# KiCad board MozzaCircuit.kicad_pcb (continued)
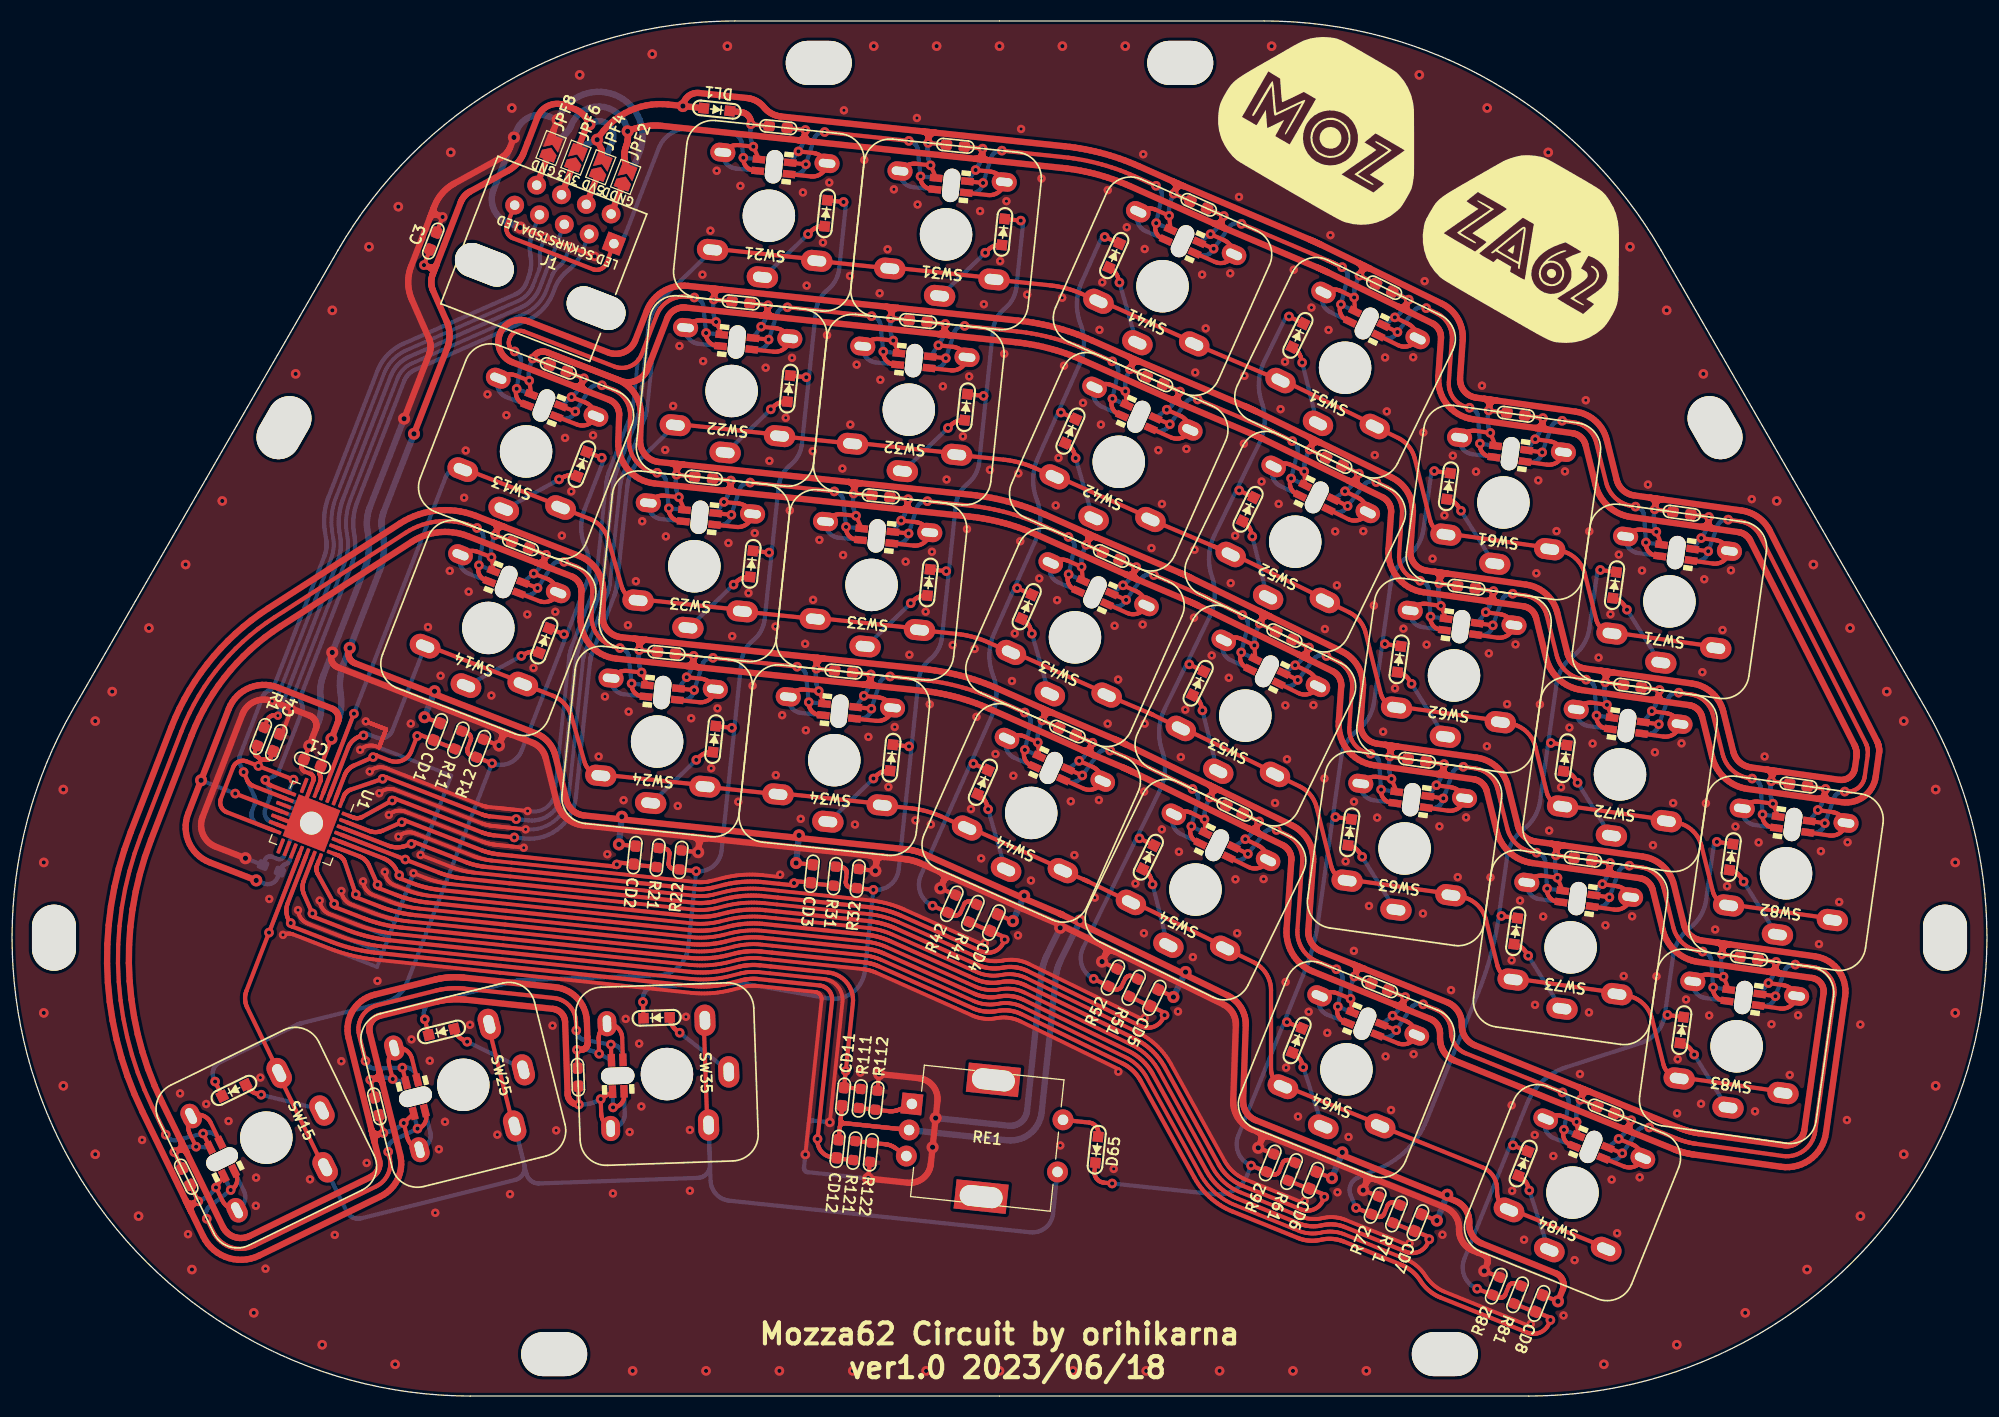
[diagram p0: board, top side]
## Nets (continued)
Net-(D41-Pad1): D41.1 D42.1 D43.1 D44.1 R41.1 R42.1
Net-(D41-Pad2): D41.2 SW41.1
Net-(D42-Pad2): D42.2 SW42.1
Net-(D43-Pad2): D43.2 SW43.1
Net-(D44-Pad2): D44.2 SW44.1
Net-(D51-Pad1): D51.1 D52.1 D53.1 D54.1 R51.1 R52.1
Net-(D51-Pad2): D51.2 SW51.1
Net-(D52-Pad2): D52.2 SW52.1
Net-(D53-Pad2): D53.2 SW53.1
Net-(D54-Pad2): D54.2 SW54.1
Net-(D61-Pad1): D61.1 D62.1 D63.1 D64.1 D65.1 R61.1 R62.1
Net-(D61-Pad2): D61.2 SW61.1
Net-(D62-Pad2): D62.2 SW62.1
Net-(D63-Pad2): D63.2 SW63.1
Net-(D64-Pad2): D64.2 SW64.1
Net-(D65-Pad2): D65.2 RE1.S1
Net-(D71-Pad1): D71.1 D72.1 D73.1 R71.1 R72.1
Net-(D71-Pad2): D71.2 SW71.1
Net-(D72-Pad2): D72.2 SW72.1
Net-(D73-Pad2): D73.2 SW73.1
Net-(D82-Pad1): D82.1 D83.1 D84.1 R81.1 R82.1
Net-(D82-Pad2): D82.2 SW82.1
Net-(D83-Pad2): D83.2 SW83.1
Net-(D84-Pad2): D84.2 SW84.1
Net-(J1-Pad2): J1.2 JPB8.1 JPF2.1
Net-(J1-Pad4): J1.4 JPB6.1 JPF4.1
Net-(J1-Pad6): J1.6 JPB4.1 JPF6.1
Net-(J1-Pad8): J1.8 JPB2.1 JPF8.1
Net-(L13-Pad1): L13.1 L13.5 L23.3 L23.7
Net-(L13-Pad3): L13.3 L13.7 L22.1 L22.5
Net-(L14-Pad1): L14.1 L14.5 L15.3 L15.7
Net-(L14-Pad3): L14.3 L14.7 L24.1 L24.5
Net-(L15-Pad1): L15.1 L15.5 L25.3 L25.7
Net-(L21-Pad1): L21.1 L21.5 L31.3 L31.7
Net-(L22-Pad3): L22.3 L22.7 L32.1 L32.5
Net-(L23-Pad1): L23.1 L23.5 L33.3 L33.7
Net-(L24-Pad3): L24.3 L24.7 L34.1 L34.5
Net-(L25-Pad1): L25.1 L25.5 L35.3 L35.7
Net-(L31-Pad1): L31.1 L31.5 L41.3 L41.7
Net-(L32-Pad3): L32.3 L32.7 L42.1 L42.5
Net-(L33-Pad1): L33.1 L33.5 L43.3 L43.7
Net-(L34-Pad3): L34.3 L34.7 L44.1 L44.5
Net-(L41-Pad1): L41.1 L41.5 L51.3 L51.7
Net-(L42-Pad3): L42.3 L42.7 L52.1 L52.5
Net-(L43-Pad1): L43.1 L43.5 L53.3 L53.7
Net-(L44-Pad3): L44.3 L44.7 L54.1 L54.5
Net-(L51-Pad1): L51.1 L51.5 L61.3 L61.7
Net-(L52-Pad3): L52.3 L52.7 L62.1 L62.5
Net-(L53-Pad1): L53.1 L53.5 L63.3 L63.7
Net-(L54-Pad3): L54.3 L54.7 L64.1 L64.5
Net-(L61-Pad1): L61.1 L61.5 L71.3 L71.7
Net-(L62-Pad3): L62.3 L62.7 L72.1 L72.5
Net-(L63-Pad1): L63.1 L63.5 L73.3 L73.7
Net-(L64-Pad3): L64.3 L64.7 L84.1 L84.5
Net-(L71-Pad1): L71.1 L71.5 L82.3 L82.7
Net-(L72-Pad3): L72.3 L72.7 L82.1 L82.5
Net-(L73-Pad1): L73.1 L73.5 L83.3 L83.7
Net-(L83-Pad1): L83.1 L83.5 L84.3 L84.7

Pads without a net: L35 1 5; RE1 MP; U1 7 10 15 16 17; U2 7 10 15 16 17

## Via types
v1: diameter 1.15, hole 0.5, Top to Bottom, 45 vias
v2: diameter 0.92, hole 0.4, Top to Bottom, 420 vias
v3: diameter 0.8, hole 0.3, Top to Bottom, 354 vias

## Routing (per net, layer and track width the routed paths; a pad name or vN(x,y) marks a point on that pad's centre or on a via; arc(x,y) is an arc through that point)
3V3: length 399.9
  Top w0.4: 29.08,57.78 29.42,58.65 29.43,58.68 29.45,58.72 29.45,58.76 29.46,58.8 29.47,58.84 29.47,58.88 29.47,58.92 29.46,58.96 29.46,59 29.45,59.04 29.44,59.08 29.43,59.11 29.42,59.15 29.4,59.19 29.38,59.22 29.37,59.26 29.35,59.29 29.34,59.33 29.32,59.37 29.31,59.41 29.31,59.45 29.3,59.49 29.3,59.53 29.3,59.57 29.3,59.6 29.31,59.64 29.31,59.68 29.32,59.72 29.33,59.76 29.34,59.8 29.46,60.1 v1(30.47,62.71) ; CD1.1 v1(39.35,64.76) ; 59.49,52.46 v1(57.9,52.63) ; 76.4,50.68 v1(74.81,50.85) ; 134.46,17.34 v1(135.95,16.74) ; CD6.1 v1(125.93,20.79) ; 25.68,55.77 v2(21.3,57.47) ; CD5.1 v1(110.81,38.07) ; 39.88,109.38 v2(39.3,107.89) ; 79.43,26.03 79.38,26.03 79.34,26.04 79.31,26.06 79.27,26.08 79.23,26.1 79.2,26.13 79.17,26.16 79.14,26.19 79.12,26.23 79.1,26.26 79.09,26.3 79.08,26.34 79.07,26.38 79.07,26.43 79.07,26.47 79.2,27.7 CD12.1 78.99,25.67 78.99,25.71 79,25.75 79.02,25.79 79.04,25.83 79.06,25.86 79.09,25.9 79.12,25.93 79.15,25.95 79.18,25.98 79.22,26 79.26,26.01 79.3,26.02 79.34,26.03 79.38,26.03 79.43,26.03 ; 79.43,26.03 85.59,25.38 79.43,26.03 ; 146.02,9.64 v1(147.5,9.04) ; CD4.1 v1(95.49,45.31)
  Top w0.6: v1(147.5,9.04) 147.95,10.15 147.99,10.27 148.02,10.39 148.04,10.51 148.04,10.64 148.03,10.76 148,10.89 147.97,11.01 147.92,11.12 147.86,11.23 147.78,11.34 147.7,11.43 147.61,11.52 147.51,11.59 147.4,11.66 147.29,11.71 140.24,14.56 140.1,14.62 139.96,14.7 139.83,14.79 139.7,14.88 139.59,14.99 139.48,15.11 139.39,15.23 139.3,15.37 139.22,15.5 139.16,15.65 139.11,15.8 139.07,15.95 139.04,16.11 139.03,16.26 139.03,16.42 139.03,16.56 139.03,16.74 139.02,16.91 138.99,17.08 138.95,17.25 138.89,17.42 138.82,17.58 138.74,17.73 138.64,17.88 138.54,18.01 138.42,18.14 138.29,18.26 138.15,18.37 138.01,18.47 137.86,18.55 137.7,18.62 126.83,23.01 118.67,26.31 118.53,26.37 118.39,26.45 118.26,26.54 118.13,26.64 118.02,26.74 117.91,26.86 117.82,26.99 117.73,27.12 117.66,27.26 117.59,27.4 117.54,27.55 117.5,27.7 117.48,27.86 117.46,28.02 117.46,28.17 117.71,35.35 117.71,35.58 117.69,35.82 117.66,36.05 117.6,36.28 117.53,36.5 117.44,36.72 117.33,36.93 117.21,37.13 117.08,37.32 116.93,37.5 116.76,37.67 116.59,37.83 116.4,37.97 116.2,38.1 115.99,38.21 111.86,40.22 100.24,45.89 100.23,45.9 100.21,45.91 100.13,45.94 100.11,45.95 100.05,45.98 100.03,45.99 100.01,46 99.97,46.01 99.96,46.02 96.47,47.5 87.1,51.67 86.98,51.72 86.86,51.77 86.74,51.82 86.62,51.86 86.5,51.9 86.38,51.94 86.26,51.97 86.14,52.01 86.01,52.04 85.89,52.06 85.77,52.09 85.64,52.11 85.52,52.13 85.39,52.15 85.26,52.16 75.06,53.24 58.15,55.01 54.57,55.39 54.42,55.41 54.26,55.45 54.11,55.5 53.97,55.56 53.83,55.63 53.69,55.71 53.57,55.8 53.45,55.91 53.34,56.02 53.24,56.14 53.15,56.27 53.07,56.41 53,56.55 52.94,56.7 52.9,56.85 51.84,61.1 51.78,61.29 51.72,61.47 51.64,61.65 51.55,61.83 51.45,62 51.34,62.16 51.22,62.31 51.1,62.46 50.96,62.6 50.81,62.73 50.66,62.85 50.49,62.95 50.33,63.05 50.15,63.14 49.97,63.22 40.22,67 32.73,69.91 32.63,69.95 32.54,70 32.46,70.06 32.38,70.13 32.31,70.21 32.25,70.3 32.2,70.39 32.15,70.48 32.12,70.58 32.1,70.69 32.09,70.79 32.09,70.89 32.1,71 32.12,71.1 32.16,71.2 v1(32.22,71.36) ; 39.86,107.67 39.91,107.65 39.96,107.64 40.01,107.64 40.07,107.64 40.12,107.64 40.17,107.65 40.22,107.67 40.27,107.69 40.31,107.72 40.36,107.75 40.39,107.78 40.43,107.82 40.46,107.86 40.49,107.91 40.51,107.96 40.15,107.02 40.16,107.07 40.17,107.12 40.18,107.18 40.18,107.23 40.17,107.28 40.16,107.33 40.15,107.38 40.13,107.43 40.1,107.48 40.07,107.52 40.04,107.56 40,107.59 39.95,107.62 39.91,107.65 39.86,107.67 ; 39.86,107.67 v2(39.3,107.89) 39.86,107.67 ; v1(38.35,91.79) 41.51,99.94 41.57,100.11 41.62,100.28 41.66,100.46 41.7,100.63 41.72,100.81 41.74,100.98 41.74,101.16 41.74,101.34 41.72,101.52 41.7,101.69 41.67,101.87 41.63,102.04 41.58,102.21 41.52,102.38 41.45,102.55 40.17,105.46 40.13,105.56 40.09,105.65 40.06,105.75 40.04,105.86 40.02,105.96 40.01,106.06 40,106.17 40,106.27 40,106.38 40.01,106.48 40.02,106.59 40.04,106.69 40.07,106.79 40.1,106.89 40.13,106.99 41.22,109.79 42.8,113.87 42.84,113.96 42.88,114.05 42.92,114.13 42.97,114.21 43.02,114.29 43.08,114.36 43.13,114.43 43.19,114.5 43.26,114.57 43.33,114.63 43.4,114.7 43.47,114.75 43.55,114.81 43.62,114.86 43.7,114.9 47.3,116.88 47.44,116.96 47.57,117.05 47.7,117.14 47.82,117.24 47.94,117.34 48.06,117.45 48.17,117.56 48.27,117.68 48.37,117.8 48.46,117.93 48.55,118.07 48.63,118.2 48.7,118.34 48.77,118.48 48.83,118.63 49.19,119.56 50.13,121.99 50.22,122.18 50.33,122.36 50.45,122.53 50.59,122.69 50.75,122.83 50.92,122.95 51.1,123.06 51.29,123.14 51.49,123.21 51.7,123.25 51.91,123.27 52.12,123.27 52.33,123.25 52.54,123.2 52.73,123.14 53.68,122.77 53.8,122.72 53.91,122.67 54.02,122.61 54.13,122.54 54.23,122.47 54.33,122.39 54.43,122.31 54.52,122.22 54.6,122.13 54.68,122.04 54.76,121.94 54.83,121.83 54.9,121.73 54.96,121.61 55.01,121.5 v1(55.09,121.31) 55.05,121.28 55.02,121.25 54.98,121.21 54.95,121.18 54.92,121.14 54.85,121.07 54.83,121.03 54.8,120.99 54.77,120.95 54.75,120.9 54.72,120.86 54.7,120.82 54.68,120.77 54.66,120.73 54.05,119.16 54.05,119.14 54.04,119.11 54.03,119.09 54.03,119.07 54.03,119.04 54.03,119.02 54.02,119 54.03,118.97 54.03,118.95 54.03,118.93 54.03,118.91 54.04,118.88 54.05,118.84 JPF6.2 ; v1(30.47,62.71) 31.09,64.29 31.12,64.39 31.14,64.5 31.16,64.6 31.16,64.7 31.15,64.81 31.12,64.91 31.09,65.01 31.05,65.11 31,65.2 30.94,65.28 30.87,65.36 30.79,65.43 30.7,65.49 30.61,65.55 30.52,65.59 25.33,67.6 24.97,67.72 24.61,67.8 24.23,67.84 23.86,67.84 23.48,67.8 23.11,67.72 22.75,67.61 22.41,67.46 22.08,67.27 21.78,67.05 21.49,66.8 21.24,66.52 21.02,66.21 20.83,65.89 20.67,65.55 v1(18.03,58.74) 16.8,55.57 16.69,55.21 16.61,54.84 16.57,54.47 16.57,54.09 16.6,53.72 16.68,53.35 16.8,52.99 16.95,52.64 17.14,52.32 17.36,52.01 17.61,51.73 17.89,51.48 18.19,51.25 18.52,51.06 18.86,50.91 v1(23.3,49.19)
  Bottom w0.4: 79.43,26.03 85.59,25.38 79.43,26.03 ; 79.43,26.03 79.38,26.03 79.34,26.04 79.31,26.06 79.27,26.08 79.23,26.1 79.2,26.13 79.17,26.16 79.14,26.19 79.12,26.23 79.1,26.26 79.09,26.3 79.08,26.34 79.07,26.38 79.07,26.43 79.07,26.47 79.2,27.7 CD12.1 78.99,25.67 78.99,25.71 79,25.75 79.02,25.79 79.04,25.83 79.06,25.86 79.09,25.9 79.12,25.93 79.15,25.95 79.18,25.98 79.22,26 79.26,26.01 79.3,26.02 79.34,26.03 79.38,26.03 79.43,26.03 ; 134.46,17.34 v1(135.95,16.74) ; 39.88,109.38 v2(39.3,107.89) ; 59.49,52.46 v1(57.9,52.63) ; CD6.1 v1(125.93,20.79) ; 76.4,50.68 v1(74.81,50.85) ; v1(23.3,49.19) 24.04,48.9 24.14,48.87 24.25,48.84 24.35,48.83 24.46,48.83 24.56,48.84 24.66,48.86 24.76,48.9 24.86,48.94 24.95,48.99 25.03,49.05 25.11,49.12 25.18,49.2 25.24,49.28 25.3,49.37 25.34,49.47 25.55,50.03 25.67,50.33 25.69,50.37 25.7,50.4 25.72,50.44 25.75,50.47 25.77,50.5 25.79,50.53 25.82,50.56 25.85,50.59 25.88,50.61 25.91,50.64 25.95,50.66 25.98,50.68 26.02,50.7 26.05,50.72 26.09,50.73 26.13,50.74 26.16,50.76 26.2,50.78 26.23,50.8 26.27,50.82 26.3,50.84 26.33,50.87 26.35,50.9 26.38,50.93 26.41,50.96 26.43,50.99 26.45,51.02 26.47,51.06 26.49,51.09 26.51,51.13 U2.5 ; CD1.1 v1(39.35,64.76) ; v2(21.3,57.47) v1(18.03,58.74) ; CD4.1 v1(95.49,45.31) ; CD5.1 v1(110.81,38.07) ; 146.02,9.64 v1(147.5,9.04)
  Bottom w0.6: v1(125.93,20.79) 126.83,23.01 ; v1(57.9,52.63) 58.15,55.01 ; v1(135.95,16.74) 136.84,18.97 ; v1(110.81,38.07) 111.86,40.22 ; 85.59,25.38 94.94,24.4 95.25,24.38 95.57,24.4 95.88,24.45 96.18,24.53 96.47,24.64 96.75,24.78 97.02,24.95 97.26,25.15 97.48,25.37 97.68,25.62 97.85,25.88 97.99,26.16 98.11,26.45 98.19,26.76 98.24,27.07 99.6,40.08 99.62,40.17 99.63,40.27 99.64,40.36 99.66,40.45 99.68,40.55 99.7,40.64 99.73,40.73 99.75,40.82 99.78,40.92 99.81,41.01 99.85,41.1 99.88,41.18 99.92,41.27 99.96,41.36 100,41.45 v1(101.9,45.36) ; JPB6.2 56.45,117.91 56.47,117.92 56.49,117.93 56.51,117.94 56.53,117.96 56.55,117.97 56.56,117.99 56.58,118.01 56.6,118.02 56.61,118.04 56.62,118.06 56.64,118.08 56.65,118.1 56.66,118.12 56.67,118.14 57.28,119.72 57.34,119.95 57.37,120.19 57.35,120.44 57.3,120.67 57.2,120.9 57.06,121.1 56.89,121.28 56.7,121.42 56.48,121.53 56.24,121.6 56,121.62 55.76,121.61 55.52,121.55 55.3,121.45 v1(55.09,121.31) ; v1(39.35,64.76) 40.22,67 ; v1(95.49,45.31) 96.47,47.5 ; v1(30.47,62.71) 31.03,64.15 31.1,64.33 31.16,64.52 31.22,64.71 31.26,64.9 31.31,65.09 31.34,65.28 31.37,65.48 31.39,65.67 31.4,65.87 31.41,66.06 31.41,66.26 31.41,66.45 31.39,66.65 31.37,66.84 31.35,67.04 31.32,67.23 31.3,67.43 31.29,67.62 31.28,67.82 31.28,68.01 31.29,68.21 31.3,68.4 31.33,68.6 31.35,68.79 31.39,68.98 31.43,69.17 31.48,69.36 31.53,69.55 31.59,69.74 31.66,69.92 v1(32.22,71.36) 35.07,78.72 35.15,78.92 35.22,79.13 35.28,79.34 35.33,79.55 35.38,79.76 35.41,79.98 35.45,80.19 35.47,80.41 35.49,80.63 35.49,80.85 35.49,81.06 35.49,81.28 35.47,81.5 35.45,81.72 35.42,81.93 35.29,82.79 35.27,82.89 35.26,83 35.26,83.1 35.25,83.21 35.25,83.31 35.26,83.42 35.27,83.52 35.28,83.63 35.29,83.73 35.31,83.83 35.33,83.94 35.36,84.04 35.39,84.14 35.42,84.24 35.46,84.33 v1(38.35,91.79) ; v1(74.81,50.85) 75.06,53.24
  vias: v1(40.31,67.23) v1(58.18,55.26) v1(75.09,53.49) v1(96.57,47.73) v1(111.97,40.45) v1(126.92,23.24) v1(136.94,19.2)
4V3D: length 19.9
  Top w0.4: SW21.5 67.89,118.73 67.97,118.82 68.06,118.9 68.15,118.98 68.24,119.05 68.34,119.11 68.45,119.17 68.56,119.22 68.67,119.26 68.78,119.29 68.9,119.31 69.02,119.33 69.13,119.34 69.25,119.34 69.37,119.33 v2(70.73,119.19) 71.27,117.97 ; C21.1 v2(70.5,121.32)
  Top w0.6: DL1.1 69.57,122.48 69.67,122.46 69.78,122.43 69.88,122.39 69.98,122.34 70.07,122.28 70.16,122.21 70.24,122.14 70.31,122.05 70.37,121.96 70.42,121.86 70.45,121.76 70.48,121.65 70.5,121.54 70.51,121.43 v2(70.5,121.32)
  Bottom w0.4: L21.8 69.06,117.1 68.92,117.12 68.78,117.16 68.64,117.21 68.51,117.28 68.39,117.36 68.27,117.45 68.17,117.56 68.08,117.67 68,117.79 67.93,117.92 67.88,118.06 67.84,118.2 67.82,118.35 67.81,118.49 SW21.5 ; C21.1 v2(70.5,121.32) 70.46,120.9 70.45,120.79 70.44,120.67 70.44,120.55 70.44,120.44 70.45,120.32 70.46,120.2 70.47,120.09 70.49,119.97 70.51,119.86 70.54,119.74 70.57,119.63 70.6,119.52 70.64,119.4 70.68,119.3 v2(70.73,119.19)
  Bottom w0.6: v2(70.5,121.32) 70.51,121.43 70.5,121.54 70.48,121.65 70.45,121.76 70.42,121.86 70.37,121.96 70.31,122.05 70.24,122.14 70.16,122.21 70.07,122.28 69.98,122.34 69.88,122.39 69.78,122.43 69.67,122.46 69.57,122.48 DL1.1
5VD: length 1332.4
  Top w0.4: L73.4 v2(147.46,49.44) 146.1,49.63 145.99,49.64 145.87,49.64 145.75,49.64 145.63,49.63 145.51,49.61 145.4,49.58 145.29,49.54 145.18,49.5 145.07,49.45 144.97,49.39 144.87,49.32 144.78,49.25 144.69,49.17 144.6,49.08 144.53,48.99 ; 38.33,26.96 v2(37.37,26.04) 37.7,24.72 37.73,24.61 37.77,24.49 37.82,24.39 37.88,24.28 37.94,24.18 38.01,24.08 38.09,23.99 38.17,23.91 38.26,23.83 38.35,23.76 38.45,23.69 38.55,23.63 38.66,23.58 38.77,23.53 SW25.5 ; L15.4 18.96,26.07 18.88,26.19 18.8,26.31 18.7,26.42 18.6,26.52 18.48,26.61 18.35,26.69 18.22,26.75 18.08,26.8 17.94,26.83 17.79,26.85 17.65,26.85 17.5,26.84 17.36,26.81 17.22,26.77 17.08,26.71 17.02,26.61 16.96,26.5 16.92,26.4 16.88,26.28 16.84,26.17 16.82,26.05 16.8,25.94 16.79,25.82 16.79,25.7 16.8,25.58 16.82,25.46 16.84,25.35 16.88,25.23 16.92,25.12 16.96,25.01 v2(17.56,23.79) ; v2(110.17,94.09) 111.42,93.54 111.53,93.48 111.63,93.42 111.73,93.36 111.82,93.29 111.91,93.21 111.99,93.12 112.07,93.03 112.14,92.93 112.2,92.83 112.26,92.73 112.31,92.62 112.35,92.51 112.38,92.39 112.4,92.28 SW42.4 112.35,92.03 112.27,91.91 112.18,91.79 112.08,91.69 111.96,91.6 111.84,91.52 111.71,91.45 111.57,91.4 111.43,91.36 111.29,91.34 111.14,91.33 110.99,91.34 110.85,91.36 110.71,91.4 110.57,91.45 108.65,92.31 ; C51.1 v2(128.57,106.88) ; 128.14,103.47 v2(128.05,104.8) 126.83,105.4 126.72,105.44 126.61,105.49 126.49,105.52 126.38,105.54 126.26,105.56 126.14,105.57 126.02,105.57 125.9,105.56 125.79,105.54 125.67,105.52 125.56,105.49 125.44,105.44 125.34,105.4 125.23,105.34 125.13,105.28 ; SW13.5 46.49,97.17 46.59,97.23 46.69,97.29 46.8,97.34 46.91,97.38 47.02,97.41 47.14,97.44 47.25,97.46 47.37,97.47 47.49,97.47 47.61,97.46 47.73,97.45 47.84,97.42 47.96,97.39 48.07,97.35 v2(49.34,96.86) 49.55,95.55 ; 141.54,90.65 v2(141.05,91.88) 139.69,92.07 139.57,92.09 139.46,92.09 139.34,92.09 139.22,92.07 139.1,92.05 138.99,92.02 138.88,91.99 138.77,91.94 138.66,91.89 138.56,91.83 138.46,91.76 138.36,91.69 138.28,91.61 138.19,91.53 138.12,91.44 ; SW41.5 107.56,113.04 107.66,113.1 107.77,113.15 107.88,113.2 107.99,113.24 108.11,113.26 108.22,113.29 108.34,113.3 108.46,113.3 108.58,113.3 108.7,113.29 108.81,113.26 108.93,113.24 109.04,113.2 109.15,113.15 v2(110.4,112.6) L41.4 ; L63.4 v2(131.62,58.87) 130.26,59.06 130.14,59.08 130.03,59.08 129.91,59.08 129.79,59.06 129.67,59.04 129.56,59.01 129.45,58.98 129.34,58.93 129.23,58.88 129.13,58.82 129.03,58.76 128.93,58.68 128.85,58.6 128.76,58.52 128.69,58.43 ; C43.1 v2(102.49,81.2) ; SW33.5 77.69,83.52 77.77,83.6 77.85,83.69 77.95,83.76 78.04,83.83 78.14,83.89 78.25,83.95 78.36,84 78.47,84.04 78.58,84.07 78.7,84.1 78.81,84.11 78.93,84.12 79.05,84.12 79.17,84.11 v2(80.53,83.97) L33.4 ; v2(71.48,102.01) 72.84,101.87 72.95,101.86 73.07,101.83 73.18,101.8 73.29,101.76 73.4,101.71 73.51,101.65 73.61,101.59 73.7,101.52 73.79,101.44 73.88,101.36 73.96,101.27 74.03,101.18 74.1,101.08 74.16,100.98 SW22.4 74.19,100.73 74.15,100.59 74.1,100.45 74.03,100.32 73.95,100.2 73.86,100.08 73.75,99.98 73.64,99.89 73.52,99.81 73.39,99.74 73.25,99.69 73.11,99.65 72.96,99.63 72.82,99.62 72.67,99.63 70.58,99.85 ; C33.1 v2(80.3,86.11) ; 152.87,26.97 v2(154.49,26.31) ; C73.1 v2(147.3,51.58) ; SW43.5 99.21,79.54 99.31,79.6 99.42,79.66 99.53,79.7 99.64,79.74 99.75,79.77 99.87,79.79 99.99,79.8 100.11,79.8 100.23,79.8 100.34,79.79 100.46,79.77 100.58,79.74 100.69,79.7 100.8,79.66 v2(102.05,79.1) L43.4 ; 101.49,63.04 v2(103.09,62.33) ; v2(153.29,24.53) 154.56,24.02 154.66,23.97 154.77,23.92 154.87,23.85 154.97,23.79 155.06,23.71 155.14,23.63 155.22,23.54 155.29,23.44 155.36,23.35 155.42,23.24 155.47,23.14 155.52,23.03 155.55,22.91 155.58,22.8 SW84.4 155.54,22.55 155.47,22.42 155.38,22.31 155.28,22.2 155.17,22.1 155.05,22.02 154.92,21.95 154.78,21.89 154.64,21.85 154.5,21.82 154.35,21.81 154.21,21.81 154.06,21.83 153.92,21.86 153.78,21.91 L84.4 ; 158.47,84.35 v2(156.73,84.59) ; C53.1 v2(119.05,73.7) ; 35.02,26.8 v2(35.44,25.1) ; L64.4 132.21,33.66 132.35,33.61 132.49,33.58 132.64,33.56 132.78,33.56 132.93,33.57 133.07,33.6 133.21,33.64 133.35,33.7 133.48,33.77 133.6,33.85 133.71,33.95 133.81,34.06 133.9,34.17 133.97,34.3 SW64.4 134.01,34.55 133.98,34.67 133.95,34.78 133.9,34.89 133.85,34.99 133.79,35.1 133.73,35.2 133.65,35.29 133.57,35.38 133.49,35.46 133.4,35.54 133.3,35.61 133.2,35.67 133.1,35.72 132.99,35.77 v2(131.72,36.28) ; C34.1 v2(81.94,68.84) ; C64.1 v2(132.92,38.06) ; L31.4 v2(87.64,117.41) 86.28,117.55 86.16,117.56 86.04,117.56 85.92,117.55 85.81,117.54 85.69,117.51 85.58,117.48 85.46,117.44 85.36,117.39 85.25,117.33 85.15,117.27 85.05,117.2 84.96,117.13 84.88,117.04 84.8,116.96 84.73,116.86 ; 63.47,66.41 65.56,66.19 65.71,66.18 65.86,66.19 66,66.21 66.14,66.25 66.28,66.3 66.41,66.37 66.53,66.45 66.65,66.54 66.75,66.64 66.84,66.76 66.92,66.88 66.99,67.01 67.04,67.15 67.08,67.29 SW24.4 67.05,67.54 66.99,67.64 66.92,67.74 66.85,67.83 66.77,67.92 66.69,68 66.6,68.08 66.5,68.15 66.4,68.21 66.29,68.27 66.19,68.32 66.07,68.36 65.96,68.39 65.84,68.42 65.73,68.43 v2(64.37,68.57) ; C31.1 v2(87.41,119.55) ; 126.93,88.77 v2(128.51,88) ; 87.49,98.07 89.58,97.85 89.72,97.84 89.87,97.85 90.01,97.87 90.16,97.91 90.29,97.96 90.42,98.03 90.55,98.11 90.66,98.2 90.76,98.31 90.86,98.42 90.94,98.54 91,98.67 91.06,98.81 91.09,98.95 SW32.4 91.06,99.2 91.01,99.31 90.94,99.4 90.87,99.5 90.79,99.59 90.7,99.67 90.61,99.74 90.51,99.81 90.41,99.88 90.31,99.93 90.2,99.98 90.09,100.02 89.98,100.05 89.86,100.08 89.74,100.09 v2(88.38,100.24) ; 142.63,93.78 v2(140.89,94.03) ; 53.96,31.28 v2(53.9,33.03) ; 48.34,76.6 50.3,75.84 50.44,75.79 50.58,75.76 50.73,75.75 50.88,75.75 51.02,75.76 51.17,75.79 51.31,75.84 51.44,75.9 51.57,75.97 51.69,76.05 51.79,76.15 51.89,76.26 51.98,76.38 52.05,76.51 SW14.4 52.09,76.76 52.06,76.87 52.02,76.98 51.98,77.09 51.92,77.2 51.86,77.3 51.79,77.4 51.72,77.49 51.64,77.58 51.55,77.66 51.46,77.73 51.36,77.8 51.26,77.86 51.16,77.92 51.05,77.96 v2(49.78,78.46) ; 70.4,104.24 v2(72.14,104.06) ; v2(140.61,74.78) 141.97,74.59 142.08,74.57 142.2,74.54 142.31,74.5 142.42,74.46 142.53,74.4 142.63,74.34 142.73,74.28 142.82,74.21 142.91,74.13 142.99,74.04 143.07,73.95 143.14,73.85 143.2,73.75 143.26,73.65 SW62.4 143.28,73.4 143.23,73.26 143.18,73.12 143.11,72.99 143.02,72.87 142.93,72.76 142.82,72.66 142.7,72.57 142.58,72.5 142.44,72.44 142.3,72.39 142.16,72.36 142.02,72.34 141.87,72.34 141.72,72.35 L62.4 ; C82.1 v2(173.03,57.92) ; SW23.5 60.78,85.29 60.86,85.38 60.95,85.46 61.04,85.54 61.13,85.61 61.24,85.67 61.34,85.73 61.45,85.78 61.56,85.82 61.67,85.85 61.79,85.87 61.91,85.89 62.03,85.9 62.14,85.9 62.26,85.89 v2(63.62,85.75) 64.16,84.53 ; L54.4 117.97,50.47 118.11,50.41 118.25,50.37 118.39,50.34 118.54,50.33 118.68,50.33 118.83,50.35 118.97,50.38 119.11,50.43 119.24,50.49 119.37,50.57 119.48,50.65 119.59,50.75 119.69,50.86 119.77,50.98 119.84,51.11 119.83,51.23 119.81,51.35 119.78,51.46 119.74,51.58 119.7,51.69 119.65,51.79 119.59,51.9 119.52,51.99 119.45,52.09 119.37,52.18 119.28,52.26 119.19,52.33 119.1,52.4 119,52.47 118.89,52.52 v2(117.67,53.12) ; v2(172.3,55.9) 173.65,55.71 173.77,55.69 173.88,55.66 173.99,55.63 174.1,55.58 174.21,55.53 174.31,55.47 174.41,55.41 174.5,55.33 174.59,55.25 174.67,55.17 174.75,55.08 174.82,54.98 174.88,54.88 174.94,54.78 174.99,54.67 174.96,54.52 174.92,54.38 174.86,54.25 174.79,54.12 174.7,54 174.61,53.89 174.5,53.79 174.38,53.7 174.26,53.63 174.13,53.56 173.99,53.52 173.84,53.48 173.7,53.47 173.55,53.46 173.41,53.48 L82.4 ; 63.29,70.8 v2(65.03,70.62) ; 80.38,64.63 82.47,64.41 82.62,64.4 82.76,64.41 82.91,64.43 83.05,64.47 83.19,64.52 83.32,64.59 83.44,64.67 83.55,64.76 83.66,64.87 83.75,64.98 83.83,65.1 83.89,65.23 83.95,65.37 83.99,65.51 SW34.4 83.96,65.76 83.9,65.87 83.83,65.96 83.76,66.06 83.68,66.15 83.59,66.23 83.5,66.3 83.41,66.37 83.31,66.44 83.2,66.49 83.09,66.54 82.98,66.58 82.87,66.61 82.75,66.64 82.63,66.65 v2(81.27,66.8) ; C41.1 v2(110.84,114.7) ; 163.79,38.77 v2(163.3,40) 161.94,40.19 161.83,40.2 161.71,40.21 161.59,40.2 161.47,40.19 161.35,40.17 161.24,40.14 161.13,40.1 161.02,40.06 160.91,40.01 160.81,39.95 160.71,39.88 160.62,39.81 160.53,39.73 160.45,39.65 160.37,39.55 ; 49.32,80.89 v2(50.95,80.25) ; L35.4 58.21,34.17 58.2,34.31 58.17,34.46 58.13,34.6 58.07,34.73 58,34.86 57.92,34.98 57.82,35.09 57.72,35.19 57.6,35.28 57.47,35.35 57.34,35.42 57.2,35.46 57.06,35.5 56.91,35.52 56.77,35.52 56.67,35.45 56.57,35.38 56.49,35.3 56.4,35.21 56.33,35.12 56.26,35.03 56.19,34.93 56.14,34.82 56.09,34.71 56.05,34.6 56.02,34.49 55.99,34.37 55.98,34.25 55.97,34.13 55.97,34.02 v2(56.02,32.65) ; v2(156.45,65.34) 157.81,65.15 157.92,65.13 158.04,65.1 158.15,65.06 158.26,65.02 158.37,64.97 158.47,64.91 158.57,64.84 158.66,64.77 158.75,64.69 158.83,64.6 158.91,64.51 158.98,64.42 159.04,64.32 159.1,64.21 SW72.4 159.12,63.96 159.08,63.82 159.02,63.68 158.95,63.56 158.86,63.44 158.77,63.33 158.66,63.23 158.54,63.14 158.42,63.06 158.28,63 158.15,62.95 158,62.92 157.86,62.9 157.71,62.9 157.56,62.91 L72.4 ; C72.1 v2(157.19,67.36) ; 133.2,60.77 v2(131.46,61.02) ; v2(101.82,60.59) 103.07,60.04 103.18,59.98 103.28,59.93 103.38,59.86 103.47,59.79 103.56,59.71 103.64,59.62 103.72,59.53 103.79,59.43 103.85,59.33 103.9,59.23 103.95,59.12 103.99,59.01 104.03,58.9 104.05,58.78 104.07,58.66 104,58.53 103.92,58.41 103.83,58.29 103.73,58.19 103.61,58.1 103.49,58.02 103.36,57.95 103.22,57.9 103.08,57.86 102.94,57.84 102.79,57.83 102.64,57.84 102.5,57.86 102.36,57.9 102.22,57.95 L44.4 ; 153.96,82 154.03,82.09 154.12,82.18 154.2,82.26 154.3,82.33 154.4,82.4 154.5,82.45 154.61,82.51 154.72,82.55 154.83,82.59 154.94,82.62 155.06,82.64 155.18,82.65 155.3,82.65 155.41,82.65 155.53,82.64 v2(156.89,82.45) 157.38,81.22 ; SW53.5 115.71,72.15 115.82,72.21 115.93,72.26 116.04,72.3 116.15,72.33 116.27,72.36 116.39,72.37 116.51,72.38 116.62,72.38 116.74,72.37 116.86,72.36 116.98,72.33 117.09,72.3 117.2,72.26 117.31,72.21 v2(118.54,71.61) 118.63,70.29 ; C32.1 v2(89.05,102.28) ; 117.42,55.58 v2(118.99,54.81) ; 51.32,98.35 v2(49.68,98.98) ; C83.1 v2(163.14,42.14) ; 109.84,96.54 v2(111.44,95.83) ; C62.1 v2(141.35,76.79) ; L52.4 127.49,83.66 127.62,83.6 127.76,83.56 127.91,83.53 128.05,83.51 128.2,83.52 128.34,83.53 128.49,83.57 128.63,83.62 128.76,83.68 128.88,83.75 129,83.84 129.11,83.94 129.2,84.05 129.29,84.17 129.36,84.3 129.35,84.42 129.33,84.53 129.3,84.65 129.26,84.76 129.22,84.87 129.16,84.98 129.11,85.08 129.04,85.18 128.97,85.27 128.89,85.36 128.8,85.45 128.71,85.52 128.61,85.59 128.51,85.65 128.41,85.71 v2(127.18,86.31) ; C15.1 v2(15.48,23.27) ; C23.1 v2(63.39,87.88)